# KiCad board Mun.kicad_pcb (continued)
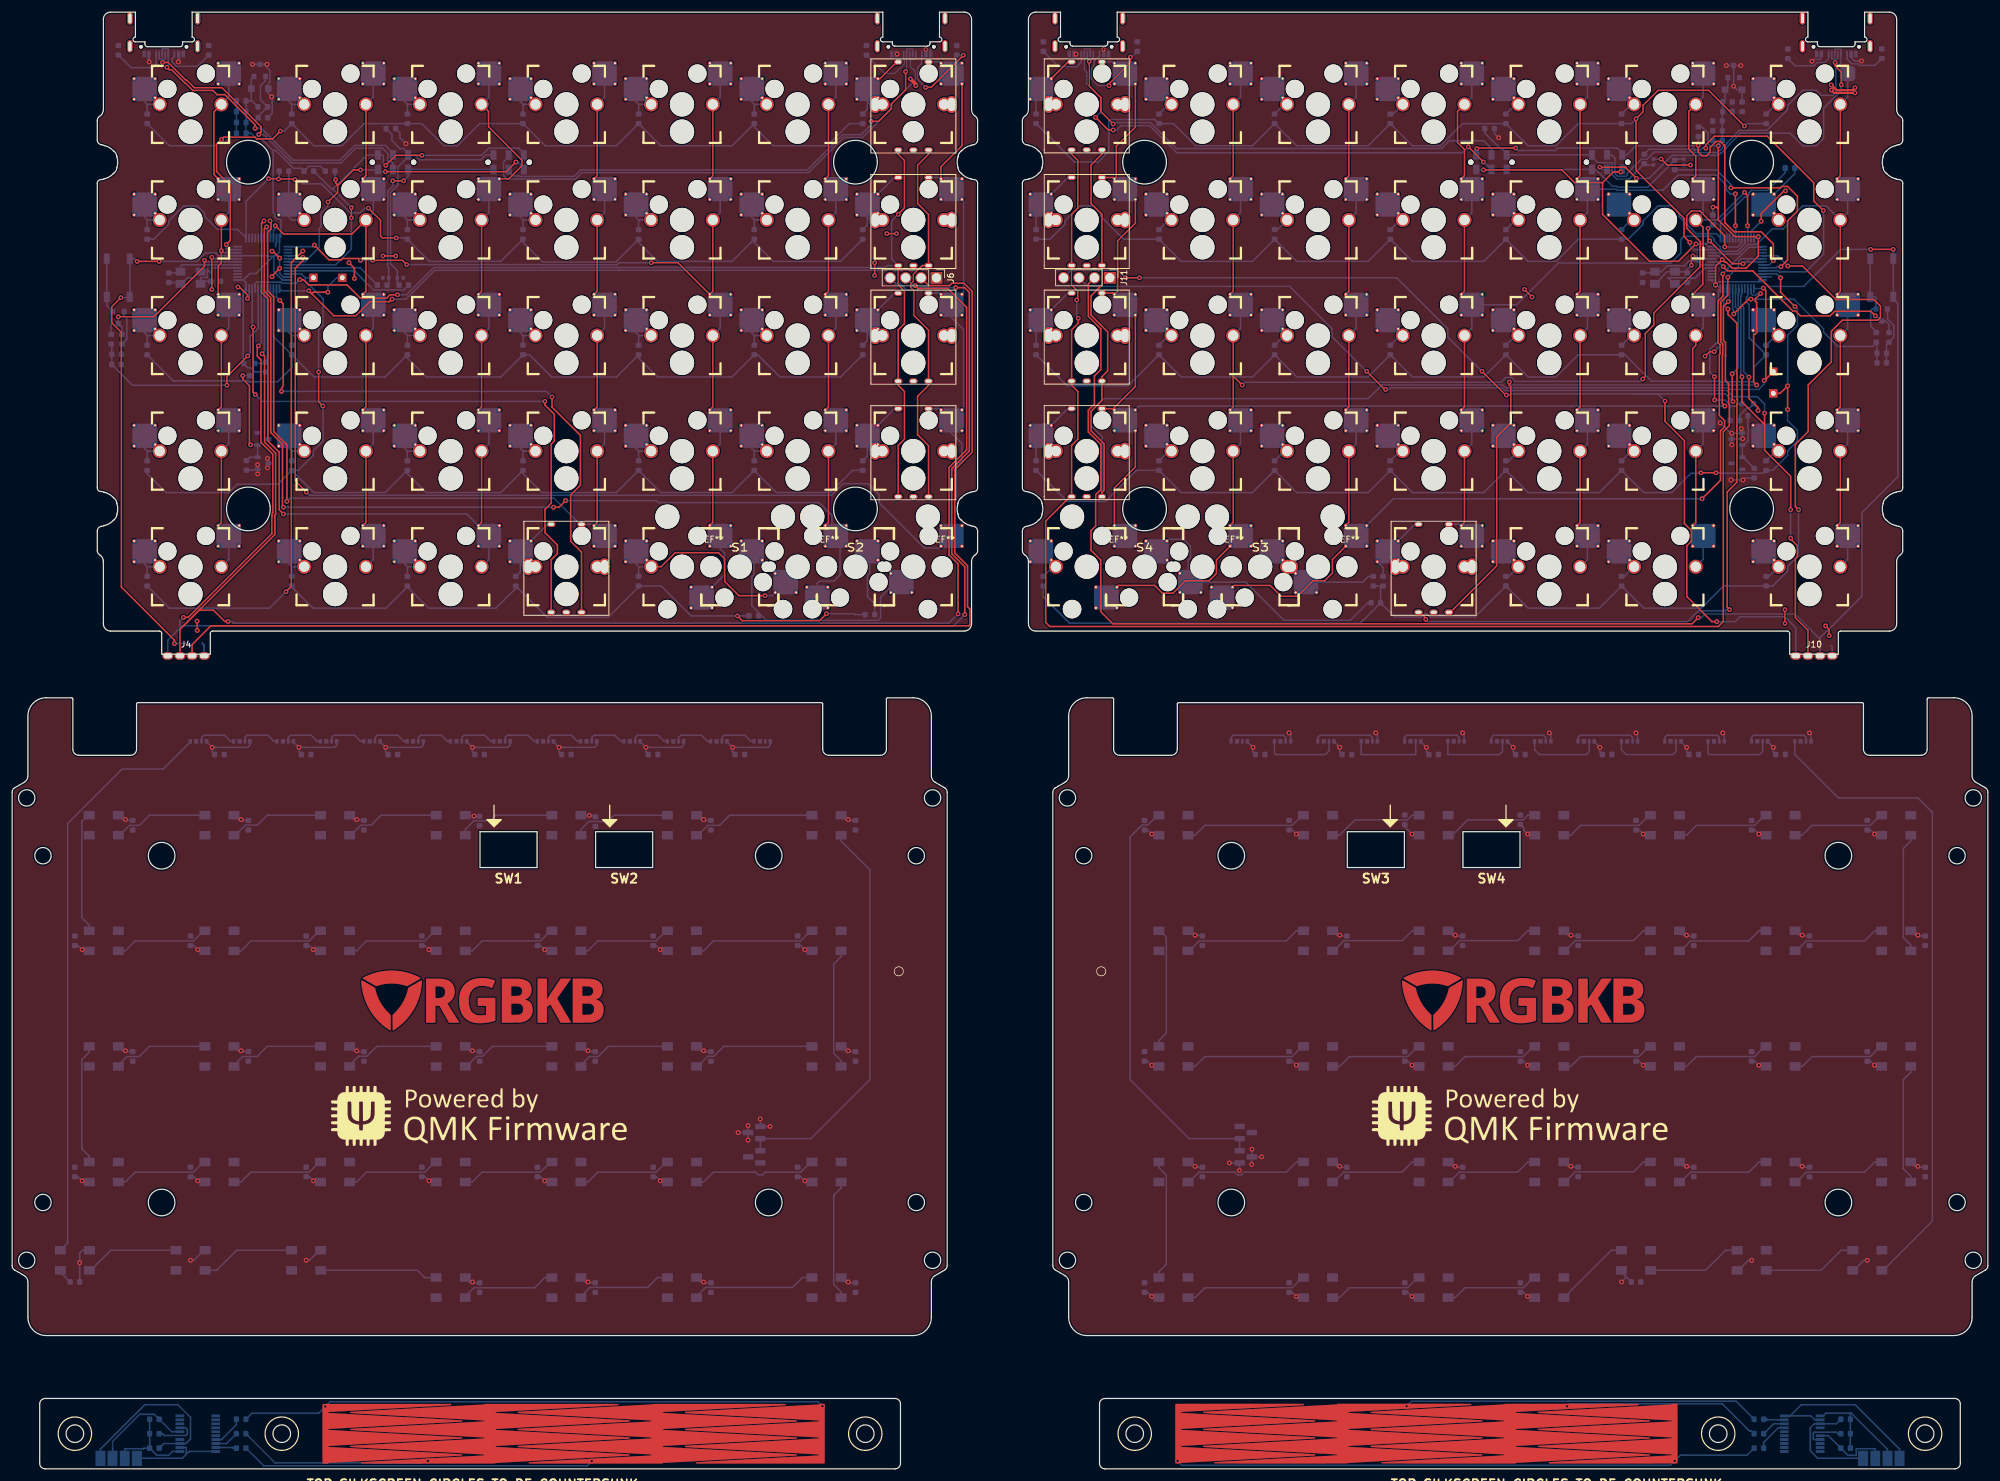
[diagram p0: board, top side]
## Routing (per net, layer and track width the routed paths; a pad name or vN(x,y) marks a point on that pad's centre or on a via; arc(x,y) is an arc through that point) (continued)
Net-(LED24-Pad2): length 15.6
  Bottom w0.25: LED25.4 69.65,50.58 67.97,48.9 58.37,48.9 56.75,47.28 LED24.2
Net-(LED25-Pad2): length 15.6
  Bottom w0.25: LED25.2 75.8,47.28 77.42,48.9 87.02,48.9 88.7,50.58 LED26.4
Net-(LED26-Pad2): length 15.6
  Bottom w0.25: LED27.4 107.75,50.58 106.07,48.9 96.47,48.9 94.85,47.28 LED26.2
Net-(LED27-Pad2): length 20.8
  Bottom w0.25: LED27.2 113.9,47.28 115.52,48.9 122.48,48.9 122.93,48.45 123.62,48.45 124.07,48.9 129.89,48.9 131.56,50.58 LED28.4
Net-(LED28-Pad2): length 20.1
  Bottom w0.25: LED29.4 136.56,29.18 135.34,30.4 135.34,45.1 136.56,46.33 LED28.2
Net-(LED29-Pad2): length 20.3
  Bottom w0.25: 112.73,28.42 114.21,29.9 128.54,29.9 130.17,31.53 LED29.2
Net-(LED30-Pad2): length 15.6
  Bottom w0.25: LED30.2 106.31,31.53 104.68,29.9 95.16,29.9 93.68,28.42
Net-(LED31-Pad2): length 15.6
  Bottom w0.25: LED31.2 87.75,31.53 86.07,29.85 76.06,29.85 74.63,28.42
Net-(LED32-Pad2): length 19.5
  Bottom w0.25: LED33.4 66.76,32.72 67.95,31.53 LED32.2
Net-(LED33-Pad2): length 15.6
  Bottom w0.25: LED33.2 36.99,36.02 33.69,32.72 LED34.4
Net-(LED34-Pad2): length 15.6
  Bottom w0.25: LED35.4 12.94,32.72 16.24,36.02 LED34.2
Net-(LED35-Pad2): length 96.7
  Bottom w0.25: LED35.2 9.15,37.23 9.15,106.36 18.13,115.34 24.89,115.34 29.35,119.8 LED36.4
Net-(LED36-Pad2): length 6.5
  Bottom w0.25: LED36.2 31.2,120.53 31.58,120.91 34.97,120.91 35.97,119.9 LED37.4
Net-(LED37-Pad2): length 6.5
  Bottom w0.25: LED37.2 38.34,120.53 38.71,120.9 42.12,120.9 43.11,119.9 LED38.4
Net-(LED38-Pad2): length 6.5
  Bottom w0.25: LED38.2 45.49,120.53 45.87,120.91 49.26,120.91 50.26,119.9 LED39.4
Net-(LED39-Pad2): length 6.5
  Bottom w0.25: LED40.4 57.4,119.9 56.4,120.91 53.01,120.91 52.63,120.53 LED39.2
Net-(LED40-Pad2): length 6.5
  Bottom w0.25: LED41.4 64.55,119.9 63.55,120.9 60.14,120.9 59.78,120.53 LED40.2
Net-(LED41-Pad2): length 6.5
  Bottom w0.25: LED41.2 66.92,120.53 67.29,120.9 70.7,120.9 71.69,119.9 LED42.4
Net-(LED42-Pad2): length 6.5
  Bottom w0.25: LED42.2 74.06,120.53 74.43,120.9 77.84,120.9 78.83,119.9 LED43.4
Net-(LED43-Pad2): length 6.5
  Bottom w0.25: LED44.4 85.98,119.9 84.99,120.9 81.57,120.9 81.21,120.53 LED43.2
Net-(LED44-Pad2): length 6.5
  Bottom w0.25: LED45.4 93.12,119.9 92.13,120.9 88.72,120.9 88.35,120.53 LED44.2
Net-(LED45-Pad2): length 6.5
  Bottom w0.25: LED45.2 95.49,120.53 95.86,120.9 99.27,120.9 100.26,119.9 LED46.4
Net-(LED46-Pad2): length 6.5
  Bottom w0.25: LED47.4 107.41,119.9 106.42,120.9 103.01,120.9 102.64,120.53 LED46.2
Net-(LED47-Pad2): length 6.5
  Bottom w0.25: LED48.4 114.55,119.9 113.56,120.9 110.15,120.9 109.78,120.53 LED47.2
Net-(LED48-Pad2): length 6.5
  Bottom w0.25: LED49.4 121.7,119.9 120.7,120.9 117.29,120.9 116.93,120.53 LED48.2
Net-(LED50-Pad2): length 20.4
  Bottom w0.25: LED50.2 194.86,104.43 196.49,106.05 210.85,106.05 212.52,107.73 LED51.4
Net-(LED51-Pad2): length 15.6
  Bottom w0.25: LED52.4 230.62,107.73 229.85,106.95 221.2,106.95 218.67,104.43 LED51.2
Net-(LED52-Pad2): length 15.8
  Bottom w0.25: LED52.2 237.24,104.43 239.76,106.95 248.9,106.95 249.67,107.73 LED53.4 250.62,107.73
Net-(LED53-Pad2): length 15.6
  Bottom w0.25: LED53.2 256.77,104.43 258.4,106.05 268,106.05 269.67,107.73 LED54.4
Net-(LED54-Pad2): length 15.6
  Bottom w0.25: LED54.2 275.82,104.43 277.45,106.05 287.05,106.05 288.72,107.73 LED55.4
Net-(LED55-Pad2): length 15.6
  Bottom w0.25: LED55.2 294.87,104.43 296.5,106.05 306.1,106.05 307.77,107.73 LED56.4
Net-(LED56-Pad2): length 20.1
  Bottom w0.25: LED56.2 312.77,103.48 311.55,102.25 311.55,87.55 312.78,86.33 LED57.4
Net-(LED57-Pad2): length 15.6
  Bottom w0.25: LED57.2 306.83,88.68 305.15,87 295.55,87 293.92,85.38 LED58.4
Net-(LED58-Pad2): length 15.6
  Bottom w0.25: LED58.2 287.77,88.68 286.1,87 276.5,87 274.87,85.38 LED59.4
Net-(LED59-Pad2): length 15.6
  Bottom w0.25: LED59.2 268.72,88.68 267.1,87.05 257.5,87.05 255.82,85.38 LED60.4
Net-(LED60-Pad2): length 15.6
  Bottom w0.25: LED61.4 236.77,85.38 238.45,87.05 248.05,87.05 249.67,88.68 LED60.2
Net-(LED61-Pad2): length 15.6
  Bottom w0.25: LED62.4 217.72,85.38 219.4,87.05 229,87.05 230.62,88.68 LED61.2
Net-(LED62-Pad2): length 20.4
  Bottom w0.25: LED62.2 211.57,88.68 209.9,87 195.54,87 193.91,85.38 LED63.4
Net-(LED63-Pad2): length 20.2
  Bottom w0.25: LED63.2 189.11,88.68 190.14,87.65 190.14,71.8 188.91,70.58 188.91,69.63
Net-(LED64-Pad2): length 20.4
  Bottom w0.25: LED65.4 212.52,69.63 210.85,67.95 196.49,67.95 194.86,66.33 LED64.2
Net-(LED65-Pad2): length 15.6
  Bottom w0.25: LED66.4 231.57,69.63 229.9,67.95 220.3,67.95 218.67,66.33 LED65.2
Net-(LED66-Pad2): length 15.6
  Bottom w0.25: LED67.4 250.62,69.63 248.95,67.95 239.35,67.95 237.72,66.33 LED66.2
Net-(LED67-Pad2): length 15.6
  Bottom w0.25: LED67.2 256.77,66.33 258.4,67.95 268,67.95 269.67,69.63 LED68.4
Net-(LED68-Pad2): length 15.6
  Bottom w0.25: LED69.4 288.72,69.63 287.05,67.95 277.45,67.95 275.82,66.33 LED68.2
Net-(LED69-Pad2): length 15.6
  Bottom w0.25: LED70.4 307.77,69.63 306.1,67.95 296.5,67.95 294.87,66.33 LED69.2
Net-(LED70-Pad2): length 20.1
  Bottom w0.25: LED71.4 312.77,48.23 311.55,49.45 311.55,64.15 312.77,65.38 LED70.2
Net-(LED71-Pad2): length 15.6
  Bottom w0.25: LED71.2 306.82,50.58 305.15,48.9 295.55,48.9 293.92,47.28 LED72.4
Net-(LED72-Pad2): length 15.6
  Bottom w0.25: LED72.2 287.77,50.58 286.1,48.9 276.5,48.9 274.87,47.28 LED73.4
Net-(LED73-Pad2): length 15.6
  Bottom w0.25: LED73.2 268.72,50.58 267.1,48.95 257.5,48.95 255.82,47.28 LED74.4
Net-(LED74-Pad2): length 15.6
  Bottom w0.25: LED75.4 236.77,47.28 238.4,48.9 248,48.9 249.67,50.58 LED74.2
Net-(LED75-Pad2): length 15.6
  Bottom w0.25: LED76.4 217.72,47.28 219.35,48.9 228.95,48.9 230.62,50.58 LED75.2
Net-(LED76-Pad2): length 20.8
  Bottom w0.25: LED77.4 193.91,47.28 195.54,48.9 201.39,48.9 201.84,48.45 202.53,48.45 202.99,48.9 209.9,48.9 211.57,50.58 LED76.2
Net-(LED77-Pad2): length 20.1
  Bottom w0.25: 188.91,31.53 188.91,32.48 190.14,33.7 190.14,48.4 188.91,49.63 188.91,50.58
Net-(LED78-Pad2): length 20.4
  Bottom w0.25: LED79.4 212.52,31.53 210.85,29.85 196.49,29.85 194.86,28.23 LED78.2
Net-(LED79-Pad2): length 15.6
  Bottom w0.25: LED80.4 231.57,31.53 229.9,29.85 220.3,29.85 218.67,28.23 LED79.2
Net-(LED80-Pad2): length 15.6
  Bottom w0.25: LED81.4 250.62,31.53 248.95,29.85 239.35,29.85 237.72,28.23 LED80.2
Net-(LED81-Pad2): length 12.7
  Bottom w0.25: LED82.4 263.44,36.02 255.64,28.23 LED81.2
Net-(LED82-Pad2): length 15.6
  Bottom w0.25: LED83.4 282.26,36.02 278.96,32.72 LED82.2
Net-(LED83-Pad2): length 15.6
  Bottom w0.25: LED83.2 298.01,32.72 301.31,36.02 LED84.4
Net-(LED84-Pad2): length 107.8
  Bottom w0.25: LED84.2 308.21,32.72 316.33,40.84 316.33,108.19 313.95,110.58 300.85,110.58 293.67,117.75 LED85.4
Net-(LED85-Pad2): length 10.5
  Bottom w0.25: LED85.2 295.52,120.53 295.15,120.9 286.89,120.9 286.53,120.53 LED86.4
Net-(LED86-Pad2): length 13
  Bottom w0.25: LED87.4 279.38,117.92 279.58,117.72 287.88,117.72 288.38,118.22 LED86.2
Net-(LED87-Pad2): length 10.5
  Bottom w0.25: LED88.4 272.24,120.53 272.61,120.9 280.87,120.9 281.23,120.53 LED87.2
Net-(LED88-Pad2): length 12.6
  Bottom w0.25: LED88.2 274.09,118.22 273.59,117.72 265.89,117.72 265.1,118.52 LED89.4
Net-(LED89-Pad2): length 10.5
  Bottom w0.25: LED89.2 266.94,120.53 266.58,120.9 258.32,120.9 257.95,120.53 LED90.4
Net-(LED90-Pad2): length 12.6
  Bottom w0.25: LED91.4 250.81,118.52 251.61,117.72 259.3,117.72 259.8,118.22 LED90.2
Net-(LED91-Pad2): length 10.5
  Bottom w0.25: LED91.2 252.66,120.53 252.29,120.9 244.03,120.9 243.66,120.53 LED92.4
Net-(LED92-Pad2): length 13.1
  Bottom w0.25: LED92.2 245.51,118.22 245.02,117.72 236.56,117.72 236.52,117.75 LED93.4
Net-(LED93-Pad2): length 10.5
  Bottom w0.25: LED93.2 238.37,120.53 238,120.9 229.74,120.9 229.38,120.53 LED94.4
Net-(LED94-Pad2): length 13.3
  Bottom w0.25: LED95.4 222.23,117.75 222.27,117.72 231.23,117.72 LED94.2
Net-(LED95-Pad2): length 10.5
  Bottom w0.25: LED96.4 215.09,120.53 215.46,120.9 223.72,120.9 224.08,120.53 LED95.2
Net-(LED96-Pad2): length 12.9
  Bottom w0.25: LED97.4 207.95,117.92 208.15,117.72 216.31,117.72 216.94,118.34 LED96.2
Net-(LED97-Pad2): length 10.5
  Bottom w0.25: LED97.2 209.79,120.53 209.43,120.9 201.17,120.9 200.8,120.53 LED98.4
Net-(R6-Pad2): length 15.9
  Bottom w0.25: R6.2 57.34,197.93 U2.32
Net-(R7-Pad2): length 21.5
  Bottom w0.25: R7.2 64.52,194.3 59.54,194.3 56.4,197.43 U2.33
Net-(R13-Pad2): length 38.4
  Top w0.25: v1(291.39,198.13) 292.48,199.22 292.48,205.65 294.1,207.27 294.1,209.73 292.48,211.35 291.54,211.35 291.31,211.13 v1(283.14,211.13)
  Bottom w0.25: U4.32 290.63,197.93 290.82,198.13 v1(291.39,198.13) ; R13.2 280.74,214.09 283.14,211.69 v1(283.14,211.13)
Net-(R14-Pad2): length 56.5
  Top w0.25: v1(279,217.66) 279,218.22 280.4,219.63 289.14,219.63 296.8,211.96 296.8,208.96 v1(298.39,207.38)
  Bottom w0.25: v1(298.39,207.38) 298.41,207.35 298.41,200.21 295.45,197.25 291.19,197.25 291.01,197.43 U4.33 ; R14.2 269.7,217.48 277.01,217.48 277.1,217.38 278.16,217.38 278.43,217.66 v1(279,217.66)

## Copper pours and planes (outline as drawn; the poured copper is in the pictures)
/5VL on Top: 13.39,240.88 13.39,133.2 159.39,135.88 159.39,240.88
/5VL on Bottom: -0.38,127.24 -0.38,21.28 154.4,21.28 154.4,127.24
/5VR on Top: 165.56,240.88 165.56,134.88 312.76,133.2 312.76,240.47
/5VR on Bottom: 171.07,127.24 171.07,21.28 325.85,21.28 325.85,127.24
/GNDL on Top: -0.38,127.24 -0.38,21.28 154.4,21.28 154.4,127.24
/GNDL on Bottom: 13.39,240.88 13.39,133.2 159.39,135.88 159.39,240.88
/GNDR on Top: 171.07,127.24 171.07,21.28 325.85,21.28 325.85,127.24
/GNDR on Bottom: 165.56,240.88 165.56,134.88 312.76,133.2 312.76,240.88

## Text on the board
B.SilkS: GND 3.3V  SCL  SDA | BOTTOM SILKSCREEN CIRCLES TO BE COUNTERSUNK | Mün PCB Rev 1.2 / Created by Legonut / RGBKB | Rev1.2 | LEFT | RIGHT
F.SilkS: TOP SILKSCREEN CIRCLES TO BE COUNTERSUNK | SW1 | SW2 | SW3 | SW4
